# Altium PCB SPEC-A7.PcbDoc (part 8 of 10) (continued)
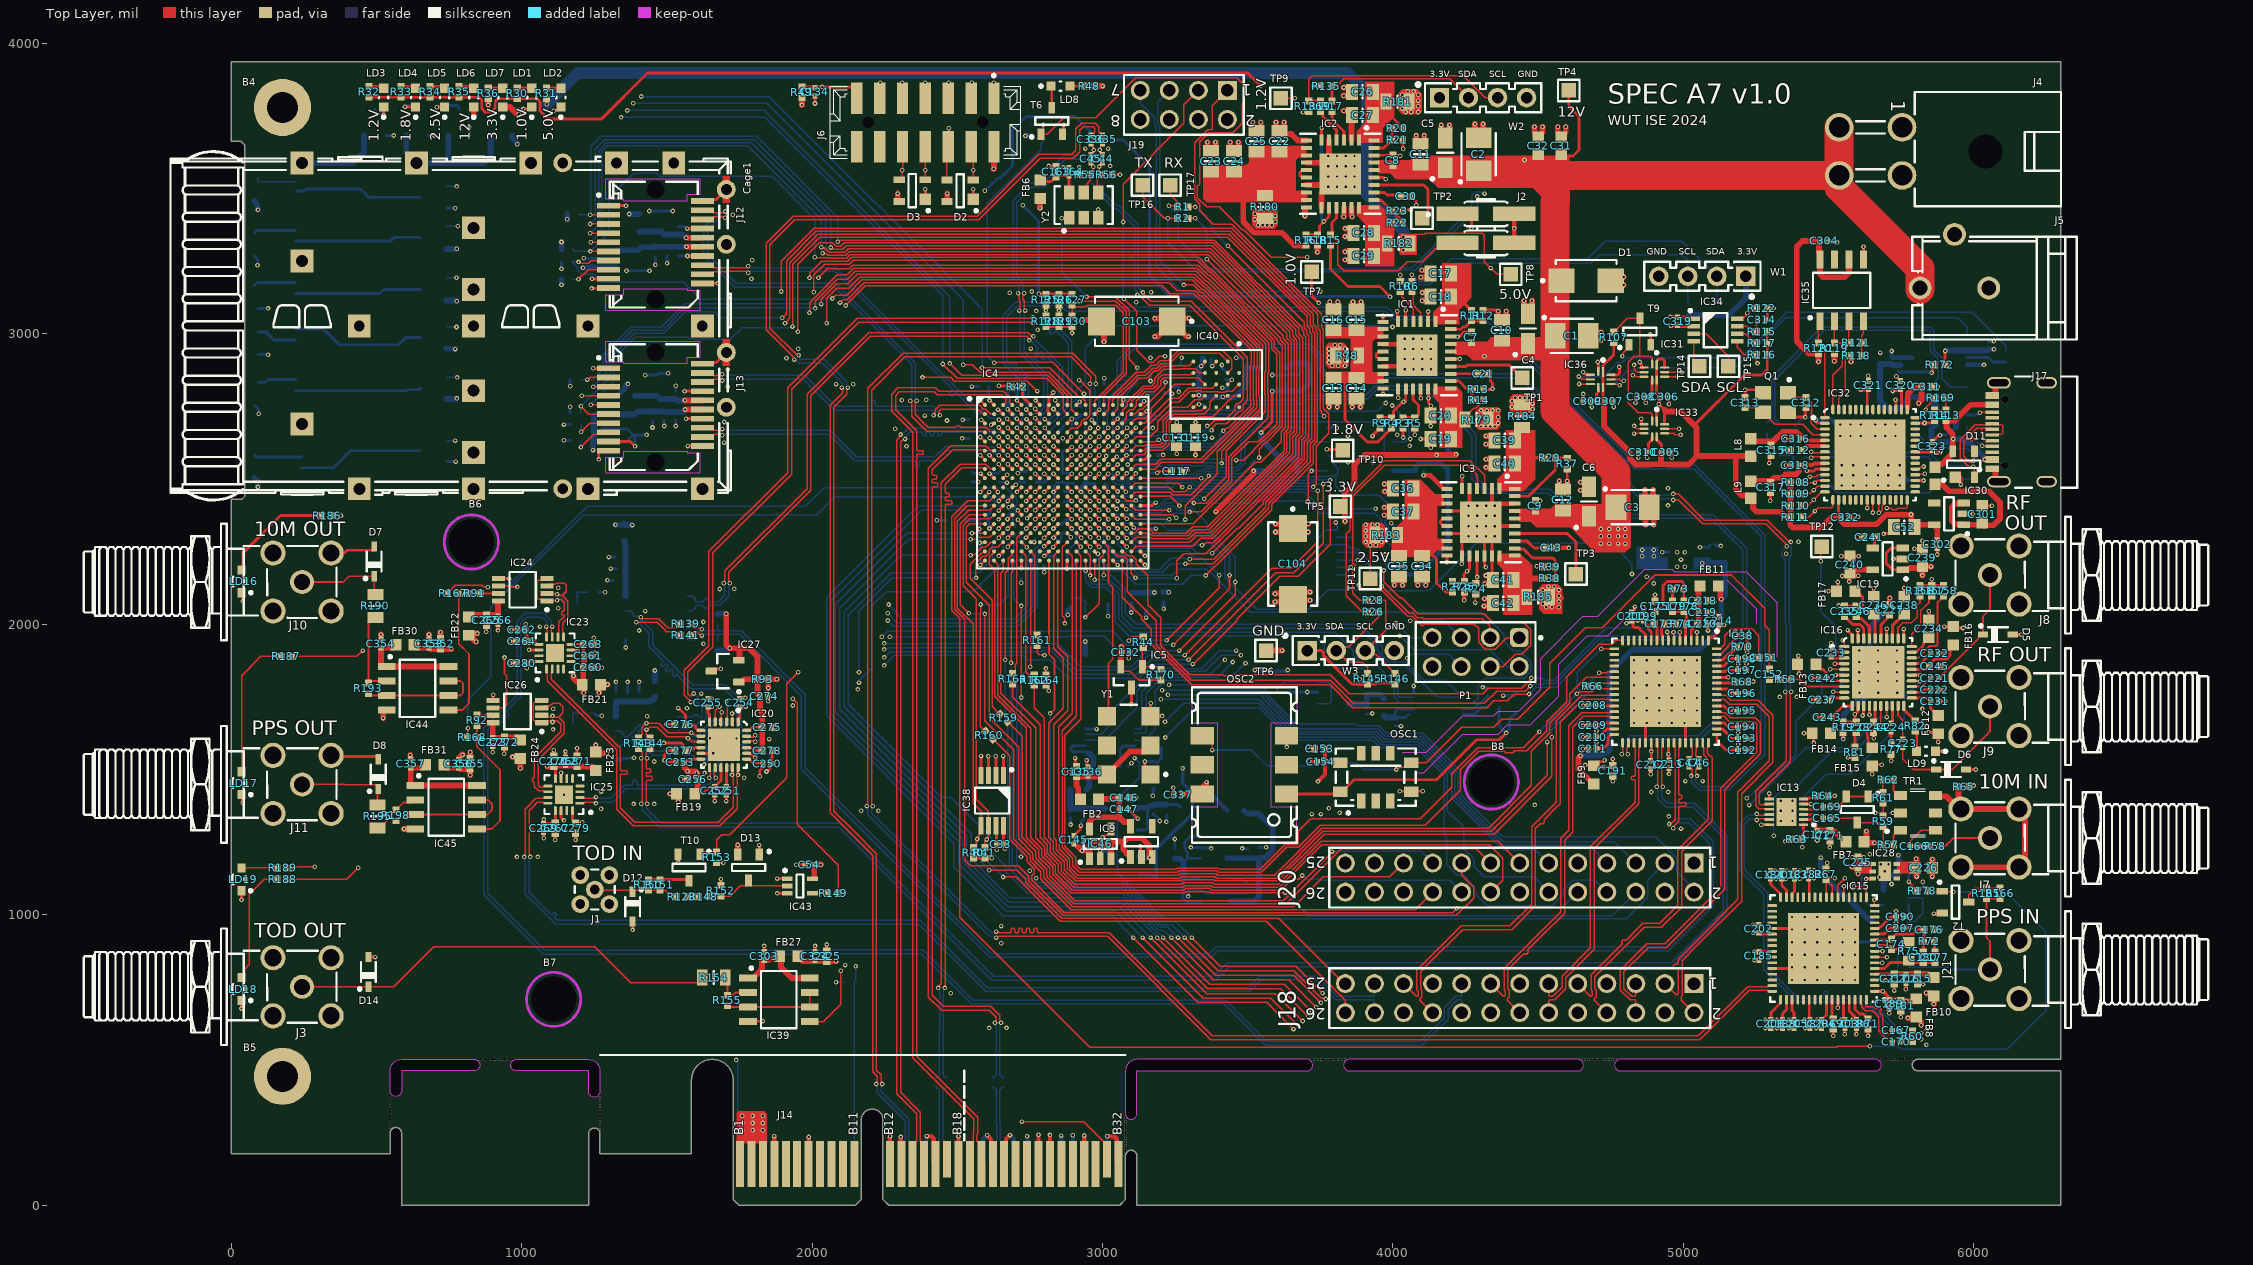
[diagram p0: Top Layer view]
## Nets (pads, with @x,y where several pads share a name; then routed paths per layer and width w, separated by ;. In a path a pad name is that pad's centre, name@x,y a point inside that pad or via, vN(x,y) a via of type N, cw(c..) or ccw(c..) an arc to the next point about the centre after c; other vN are vias at no path point) (continued)
  Bottom Layer w12: FB26.2@3125.98,1137.8 3170.28,1137.8 FB29.2@3185.04,1123.03 ; FB29.2@3185.04,1122.05 FB29.2@3185.04,1123.03 ; v3(3275.59,1503.94) 3275.59,1452.76 3311.02,1417.32 3311.02,1349.41 3268.7,1307.09 FB25.2@3267.72,1307.09 3266.73,1307.09 3185.04,1225.39 FB29.2@3185.04,1123.03 ; v3(3523.62,1842.52) 3524.64,1842.52 3528.57,1838.58 FB28.2@3598.43,1838.58 3632.84,1838.58 3636.78,1842.52 v3(3637.8,1842.52)
  other v1: 4857.93,2233.89 4897.93,2233.89 4858.04,2255.67 4898.04,2255.67 4409.45,2724.41 4429.13,2724.41 4448.82,2724.41 4468.5,2724.41 4480.31,2740.16 4409.45,2748.03 4480.31,2759.84 4409.45,2767.72 4421.26,2779.53 4437.01,2779.53 4452.76,2779.53 4468.5,2779.53
P5V0: R24.2 R31.2 R182.2 TP8.1 | length 5261.8
  Top Layer w5: R182.2@4059.06,3311.02 4059.06,3322.21 4080.18,3343.33 4107.11,3343.33 4110.24,3346.46 4307.09,3346.46 4314.96,3338.58 4314.96,3248.03 v1(4336.61,3226.38) 4358.27,3204.72 TP8.1@4405.51,3204.72 ; v1(4283.46,2074.8) 4283.46,2102.94 R24.2@4285,2104.47
  L4 w5: v1(4283.46,2074.8) 4283.46,2135.18 4304.9,2156.61 4304.9,2186.12 4304.63,2186.39 4304.63,2344.35 4305.37,2345.09 4305.37,2533.03 4270.78,2567.62 4270.78,2770.78 4393.7,2893.7 4393.7,3015.75 4320.37,3089.08 4320.37,3210.13 v1(4336.61,3226.38)
  Bottom Layer w40: v1(1086.61,3790.85) 1193.74,3897.98 3845,3897.98 3910,3832.98 3910,3479.76 4035.43,3354.33 v1(4035.43,3334.65) v1(4035.43,3318.9) v1(4035.43,3303.15) v1@4035.43,3290.8
  other v1: 4035.43,3287.4
P12V0: C1.1 C2.1 C3.1 C4.1 C5.1 C6.1 C7.2 C8.2 C9.2 C10.2 C11.2 C12.2 C31.2 C32.2 D1.1 IC1.28 IC1.29 IC2.28 IC2.29 IC3.28 IC3.29 J4.3 J4.4 J5.1 J14.A2 J14.A3 J14.B1 J14.B2 J14.B3 J20.23 J20.24 J20.25 R3.2 R30.2 R32.2 R33.2 R34.2 R35.2 TP4.1 | length 8271.6
  Top Layer w10: R32.2@475,3814.47 R33.2@585,3814.47 R34.2@685,3814.47 R35.2@785,3814.47 853.5,3814.47 862.5,3805.48 862.5,3775.48 875,3762.98 895,3762.98 909.25,3777.23 909.25,3800.39 918.34,3809.47 R30.2@985,3809.47 1052.53,3809.47 1062.8,3799.21 1062.8,3767.91 1090.55,3740.16 1275.59,3740.16 1433.41,3897.98 3499.66,3897.98 v1(3543.31,3854.33) ; v1@4034.97,2643.08 R3.2@4035,2674.47 ; 4410,3557.98 4415,3552.98 ; C31.2@4580,3612.54 4619.57,3612.54 4640,3632.98 4640,3747.98 4605,3782.98 TP4.1@4605,3837.98
  Top Layer w100: C2.1@4295,3560.89 4302.91,3552.98 4415,3552.98 4452.76,3552.98 4500.49,3552.98 4559.07,3494.4 4559.07,3452.98 ; 4542.91,3545.3 J4.4@5536.06,3545.3 J4.3@5536.06,3710.65 ; 4557.91,3452.98 C1.1@4557.91,2992.98 4557.91,2735.06 4767.91,2525.06 C3.1@4767.91,2402.98 ; J4.4@5536.06,3518.88 5536.06,3503.31 5814.96,3224.41 J5.1@5814.96,3152.43
  L3 w10: v1(3543.31,3854.33) 3630.75,3854.33 3646.89,3870.48 4393.3,3870.48 4416.54,3847.24 4416.54,3634.65 v1(4452.76,3598.43)
  L4 w10: v1(4034.93,2643.05) 4035.07,2643.05 4110,2717.98 4135,2717.98 4151.38,2734.36 4151.38,2759.36 v1(4315,2922.98)
  other v1: 1760,257.98 1795,257.98 1830,257.98 1760,282.98 1795,282.98 1830,282.98 1760,307.98 1795,307.98 1830,307.98 4715,2277.98 4745,2277.98 4775,2277.98 4800,2277.98 4715,2302.98 4745,2302.98 4775,2302.98 4800,2302.98 4715,2327.98 4745,2327.98 4775,2327.98 4800,2327.98
PCIe_PER0_N: IC4.E3 J14.B15 | length 2952
  Top Layer w5: v1(2320,2637.98) 2317.94,2635.92 2311.71,2635.92 2304.63,2628.83 2304.63,388.35 2372.65,320.33 2372.65,219.88 2385.83,206.69 J14.B15@2385.83,141.73 ; v1(2642.28,2644.71) IC4.E3@2658.03,2628.96
  Bottom Layer w5: 2322.06,2646.26 2336.94,2661.15 2362.7,2661.15 2378.08,2661.15 2381.01,2658.22 2381.01,2651.05 2383.58,2648.48 2391.3,2648.48 2393.88,2651.05 2393.88,2658.57 2396.45,2661.15 2404.18,2661.15 2406.75,2658.57 2406.75,2651.05 2409.33,2648.48 2417.05,2648.48 2419.63,2651.05 2419.63,2658.57 2422.2,2661.15 2429.93,2661.15 2432.5,2658.57 2432.5,2651.47 2435.08,2648.9 2442.8,2648.9 2445.38,2651.47 2445.38,2658.22 2448.3,2661.15 2465.1,2661.15 2600.49,2661.15 2603.92,2657.71 2620.53,2657.71 2630.09,2648.15 2633.98,2648.15 2635.36,2646.77 2640.23,2646.77 v1(2642.28,2644.71)
PCIe_PER0_P: IC4.E4 J14.B14 | length 2953.8
  Top Layer w5: v1(2304.58,2653.4) 2302.52,2651.34 2302.52,2645.11 2291.63,2634.22 2291.63,382.97 2359.65,314.95 2359.65,219.88 2346.46,206.69 J14.B14@2346.46,141.73 ; v1(2673.78,2644.71) IC4.E4@2689.53,2628.96
  Bottom Layer w5: 2312.86,2655.46 2331.55,2674.15 2605.87,2674.15 2609.31,2670.71 2625.91,2670.71 2635.48,2661.15 2654.65,2661.15 2671.08,2644.71 v1(2673.78,2644.71)
PCIe_PER1_N: IC4.A3 J14.B20 | length 3229.7
  Top Layer w5: J14.B20@2582.68,141.74 2582.68,206.7 2567.31,222.08 2567.31,242.03 2569.5,244.22 2569.5,303.48 2360,512.98 2360,2566.93 2360,2582.3 2362.93,2585.23 2380.39,2585.23 2382.97,2587.81 2382.97,2595.53 2380.39,2598.11 2362.93,2598.11 2360,2601.04 2360,2641.73 2360,2666.36 2287.4,2738.96 2287.4,2787.4 2300.81,2800.81 2420.81,2800.81 2431.62,2790 2652.98,2790 2667.28,2775.7 2667.28,2764.19 IC4.A3@2658.03,2754.95
PCIe_PER1_P: IC4.A4 J14.B19 | length 3231.5
  Top Layer w5: J14.B19@2543.31,141.74 2554.31,152.73 2554.31,247.41 2556.5,249.6 2556.5,298.1 2347,507.59 2347,2660.98 2274.4,2733.58 2274.4,2792.79 2295.42,2813.81 2426.19,2813.81 2430,2810 2437,2803 2658.36,2803 2680.28,2781.08 2680.28,2764.19 IC4.A4@2689.53,2754.95
PCIe_PET0_N: C51.2 J14.A17 | length 281
  Bottom Layer w5: J14.A17@2464.57,141.73 2464.57,206.69 2451.39,219.88 2451.39,265.98 2451.5,266.09 2451.5,399 2454.43,401.93 2458.64,401.93 2465,408.28 C51.2@2465,409.2
PCIe_PET0_P: C49.2 J14.A16 | length 281
  Bottom Layer w5: C49.2@2425,409.2 2425,408.28 2431.36,401.93 2435.57,401.93 2438.5,399 2438.5,271.48 2438.39,271.36 2438.39,219.88 2425.2,206.69 J14.A16@2425.2,141.73
PCIe_PET1_N: C55.2 J14.A22 | length 281.7
  Bottom Layer w5: C55.2@2660,409.2 2660,408.28 2653.64,401.93 2649.43,401.93 2646.5,399 2646.5,282.53 2648.24,280.79 2648.24,219.9 2661.42,206.72 J14.A22@2661.42,141.75
PCIe_PET1_P: C53.2 J14.A21 | length 281.7
  Bottom Layer w5: C53.2@2620,409.2 2620,408.28 2626.36,401.93 2630.57,401.93 2633.5,399 2633.5,277.14 2635.24,275.41 2635.24,219.89 2622.05,206.71 J14.A21@2622.05,141.75
PCIe_REFCLK_N: C336.1 J14.A14 | length 4819.6
  Top Layer w5: v3@1945.99,2928.02 1944.88,2929.13 1854.33,3019.69 1854.33,3307.09 1939.76,3392.51 2573.61,3392.51 2786.21,3605.11 2899.09,3605.11 2921.26,3627.28 2921.26,3700.79 2933.07,3712.6 2968.82,3712.6 2973.82,3707.6 2973.82,3705.8 2973.81,3693.34 2970.89,3690.41 2966.99,3690.41 2960.63,3684.05 C336.1@2960.63,3683.07 ; v3(2123.17,2814.96) 2123.17,2814.9 2119.3,2811.02 2119.3,2792.53 2074.8,2748.03 2074.8,1356.97 2143.05,1288.72 2221.66,1210.11 2221.66,465.42 2237.41,449.67 2237.41,424.11 2241.28,420.23 v3(2241.28,417.32)
  Bottom Layer w5: v3(1953.53,2925.97) 1955.58,2923.91 1955.58,2918.43 1961.66,2912.36 2042.66,2912.36 2119.3,2835.72 2119.3,2821.74 2123.17,2817.87 v3(2123.17,2814.96) ; v3(2241.28,417.32) 2241.28,414.41 2237.41,410.54 2237.41,392.59 2333.28,296.72 2333.28,219.88 2346.46,206.69 J14.A14@2346.46,141.73
PCIe_REFCLK_P: C335.1 J14.A13 | length 4862.7
  Top Layer w5: v3@1936.8,2918.83 1841.33,3014.3 1841.33,3312.47 1934.37,3405.51 2568.23,3405.51 2780.83,3618.11 2893.7,3618.11 2908.26,3632.67 2908.26,3706.17 2927.69,3725.6 2974.2,3725.6 2986.82,3712.98 2986.82,3700.41 2986.81,3693.34 2989.74,3690.41 2993.64,3690.41 3000,3684.05 C335.1@3000,3683.07 ; v3(2102.43,2814.96) 2102.43,2814.9 2106.3,2811.02 2106.3,2797.91 2061.8,2753.42 2061.8,1351.58 2129.26,1284.12 2208.66,1204.72 2208.66,460.04 2224.41,444.29 2224.41,424.11 2220.54,420.23 v3(2220.54,417.32)
  Bottom Layer w5: v3(1938.86,2911.3) 1940.91,2909.24 1946.39,2909.24 1956.27,2899.36 2037.28,2899.36 2106.3,2830.33 2106.3,2821.74 2102.43,2817.87 v3(2102.43,2814.96) ; v3(2220.54,417.32) 2220.54,414.41 2224.41,410.54 2224.41,387.21 2320.28,291.34 2320.28,219.88 2307.09,206.69 J14.A13@2307.09,141.73
PCIe_RST: IC4.R6 J14.A11 R104.2 | length 2586
  Top Layer w5: v1(2719.83,2063.14) 2719.83,1748.14 v1(2720,1747.98)
  Top Layer w10: v1(2736.5,2298.45) 2736.74,2298.45 2752.28,2314 IC4.R6@2752.52,2314
  L4 w5: v1(2149.61,822.96) 2152.51,822.96 2161.15,831.6 2166.25,831.6 2185.04,850.39 2417.32,850.39 2720,1153.07 2720,1198.87 v1(2719.28,1199.59)
  Bottom Layer w5: J14.A11@2145.67,141.73 2145.67,768.65 2149.61,772.58 v1(2149.61,822.96) ; v1(2719.28,1199.59) 2720,1200.31 v1(2720,1747.98) ; v1(2719.83,2063.14) 2695,2087.98 2695,2207.98 2723.17,2236.15 2723.17,2284.65 2736.5,2297.98 v1(2736.5,2298.45)
PET0_N: C51.1 IC4.H1 | length 2268.5
  Top Layer w5: v1(2456.44,747.98) 2458.49,750.03 2458.49,2394.6 2458.49,2409.97 2461.39,2412.93 2479.21,2413.13 2481.75,2415.73 2481.67,2423.46 2479.06,2426 2461.21,2425.81 2458.61,2428.35 2458.52,2436.08 2461.07,2438.68 2468.88,2438.77 2471.43,2441.37 2471.34,2449.09 2468.74,2451.64 2461.45,2451.56 2458.49,2454.45 2458.49,2468.77 2458.49,2482.29 2514.78,2538.58 2588.56,2538.58 2592.66,2534.47 IC4.H1@2595.04,2534.47
  Bottom Layer w5: 2452.03,740.66 2452.03,597.42 2451.5,596.89 2451.5,447.03 2454.43,444.1 2458.64,444.1 2465,437.74 C51.1@2465,436.76
PET0_P: C49.1 IC4.H2 | length 2271
  Top Layer w5: v1(2434.63,747.98) 2434.63,750.89 2445.49,761.75 2445.49,2487.68 2509.4,2551.58 2598.28,2551.58 2613.71,2536.15 2624.86,2536.15 IC4.H2@2626.54,2534.47
  Bottom Layer w5: C49.1@2425,436.76 2425,437.74 2431.36,444.1 2435.57,444.1 2438.5,447.03 2438.5,602.27 2439.03,602.8 2439.03,740.66
PET1_N: C55.1 IC4.F1 | length 2558.2
  Top Layer w5: IC4.F1@2595.04,2597.47 2592.66,2597.47 2588.56,2601.57 2483.59,2601.57 2413.67,2531.65 2413.67,2519.69 2413.67,2515.33 2416.6,2512.41 2426.14,2512.41 2428.71,2509.83 2428.71,2502.11 2426.14,2499.53 2416.25,2499.53 2413.67,2496.96 2413.67,2489.23 2416.25,2486.66 2430.27,2486.66 2432.85,2484.08 2432.85,2476.36 2430.27,2473.78 2416.6,2473.78 2413.67,2470.85 2413.67,2455.48 2413.67,722.09 2451.49,684.28 2615.38,684.28 2646.5,653.17 2646.5,634.76 2650.37,630.89 v1(2650.37,627.98)
  Bottom Layer w5: v1@2646.5,621.2 2646.5,447.03 2649.43,444.1 2653.64,444.1 2660,437.74 C55.1@2660,436.76
PET1_P: C53.1 IC4.F2 | length 2560.7
  Top Layer w5: IC4.F2@2626.54,2597.47 2624.86,2599.15 2613.71,2599.15 2598.28,2614.57 2478.21,2614.57 2400.67,2537.04 2400.67,716.71 2446.1,671.28 2610,671.28 2633.5,647.78 2633.5,634.76 2629.63,630.89 v1(2629.63,627.98)
  Bottom Layer w5: C53.1@2620,436.76 2620,437.74 2626.36,444.1 2630.57,444.1 2633.5,447.03 v1@2633.5,621.2
PLL_CS: IC4.V9 IC14.17 | length 3501
  Top Layer w5: IC4.V9@2847.01,2219.51 2845.12,2217.62 2845.12,1922.86 2880,1887.98 2880,1702.98 2831.15,1654.12 2831.15,1265.48 2840.42,1256.2 2840.42,1223.45 2877.85,1186.02 2877.85,1159.66 2911.12,1126.4 3266,1126.4 3270.24,1130.64 3386.5,1130.64 3390.73,1126.4 3597.31,1126.4 3758.31,1287.4 4338.58,1287.4 4531.5,1480.32 v1(4531.5,1594.49) ; v1(4716.65,1915.7) IC14.17@4762.14,1915.68
  Bottom Layer w5: v1(4531.5,1594.49) 4531.5,1636.53 4648.65,1753.69 4648.65,1766.79 4635.11,1780.33 4635.11,1834.16 v1(4716.65,1915.7)
PLL_LOCK: IC4.U16 IC14.3 | length 2445
  Top Layer w5: IC4.U16@3067.48,2251.01 3069.86,2251.01 3076.96,2243.9 3077.58,2243.9 3085.44,2236.04 3102.8,2236.04 3116.08,2222.76 3116.08,2206.89 3155,2167.98 3155,2067.98 3200.79,2022.19 3200.79,1925.92 3299.94,1826.77 3414.69,1826.77 3418.26,1823.21 3431.57,1823.21 3435.13,1826.77 3783.46,1826.77 3848.96,1761.28 4309,1761.28 4327.56,1779.84 4443.14,1779.84 4476.38,1813.08 v1(4476.38,1814.96) ; IC14.3@5046.61,1944.2 v1(5046.61,1972.07)
  Bottom Layer w5: v1(4476.38,1814.96) 4513.65,1814.96 4520.63,1807.98 4555,1807.98 4734.93,1987.91 4882.06,1987.91 4882.85,1988.7 5029.98,1988.7 v1(5046.61,1972.07)
PLL_REFSEL: IC4.U15 IC14.7 | length 2393.1
  Top Layer w5: IC4.U15@3035.98,2251.01 3053.09,2233.9 3073.44,2233.9 3084.59,2222.76 3084.59,2112.08 3185.04,2011.63 3185.04,1927.53 3305.48,1807.09 3783.46,1807.09 3862.57,1727.98 4314.59,1727.98 4356.46,1769.84 4454.88,1769.84 v1(4472.44,1787.4) ; v1@4965.75,1974.63 v1(4965.75,1972.52) 4966.95,1971.32 4966.95,1945.12 IC14.7@4967.87,1944.2
  Bottom Layer w5: v1(4472.44,1787.4) 4474.5,1789.46 4483.98,1789.46 4487.5,1792.98 4517.96,1792.98 4521.33,1796.35 4558.37,1796.35 4719.98,1957.95 4951.18,1957.95 v1(4965.75,1972.52)
PLL_RESET: IC4.U11 IC14.23 IC14.24 R66.2 | length 3369.6
  Top Layer w5: IC4.U11@2910,2251.01 2924.63,2236.38 2924.63,1672.6 2870.42,1618.4 2870.42,1235.87 2907.85,1198.44 2907.85,1172.09 2923.55,1156.4 3253.57,1156.4 3257.81,1160.64 3398.92,1160.64 3403.16,1156.4 3542.7,1156.4 3627.83,1241.53 3670.02,1241.53 3673.82,1245.34 3673.82,1287.52 3717.01,1330.71 4094.49,1330.71 4202.76,1438.98 4202.76,1486.22 4291.34,1574.8 4449.09,1574.8 v1(4504.07,1629.78) ; v1(4633.28,1760.42) 4636.19,1760.42 4642.9,1767.13 4682.95,1767.13 4686.53,1767.14 4701.7,1782.32 R66.2@4709.89,1782.32 ; IC14.24@4762.17,1777.86 4714.35,1777.86 R66.2@4709.89,1782.32 ; IC14.23@4762.17,1797.54 4715.35,1797.54 4705.43,1787.62 R66.2@4705.43,1786.84 4705.43,1786.78 R66.2@4709.89,1782.32
  Bottom Layer w5: v1(4504.07,1629.78) 4633.28,1758.99 v1(4633.28,1760.42)
PLL_SCLK: IC4.V11 IC14.16 | length 3437.6
  Top Layer w5: IC4.V11@2910,2219.51 2910,1682.98 2860.42,1633.4 2860.42,1267.7 2860.42,1231.73 2897.85,1194.3 2897.85,1167.95 2919.4,1146.4 2989.72,1146.4 3257.72,1146.4 3261.95,1150.64 3394.78,1150.64 3399.02,1146.4 3546.87,1146.4 3632.01,1231.53 3674.16,1231.53 3750.03,1307.4 4110.55,1307.4 4232.28,1429.13 4232.28,1499.93 4294.78,1562.43 4382.38,1562.43 4387.62,1557.19 4411.52,1557.19 4419.13,1564.8 4429.34,1564.8 4460.83,1564.8 4529.69,1633.65 4529.69,1665.15 4598.43,1733.89 4598.43,1819.22 4710.28,1931.08 4753.91,1931.08 4767.03,1944.2 IC14.16@4790.71,1944.2
PLL_SDI: IC4.U10 IC14.22 | length 3408.4
  Top Layer w5: IC4.U10@2878.5,2251.01 2895,2234.51 2895,2039.72 2895.37,2039.35 2895.37,2026.61 2895,2026.24 2895,1692.98 2849.15,1647.13 2849.15,1263.41 2850.42,1262.13 2850.42,1227.59 2887.85,1190.16 2887.85,1163.81 2915.26,1136.4 3261.86,1136.4 3266.1,1140.64 3390.64,1140.64 3394.88,1136.4 3593.17,1136.4 3754.17,1297.4 4328.83,1297.4 4476.38,1444.95 4476.38,1562.8 4539.69,1626.1 4539.69,1659.3 4608.43,1728.04 4608.43,1761.06 4664.59,1817.23 IC14.22@4762.17,1817.23
PLL_SDO: IC4.U9 IC14.21 | length 3483.4
  Top Layer w5: IC4.U9@2847.01,2251.01 2832.62,2236.62 2832.62,1915.36 2865,1882.98 2865,1710.13 2815.14,1660.27 2815.14,1265.92 2830.42,1250.63 2830.42,1219.31 2867.85,1181.88 2867.85,1155.52 2906.98,1116.4 3270.14,1116.4 3274.38,1120.64 3382.35,1120.64 3386.59,1116.4 3601.45,1116.4 3762.45,1277.4 4342.72,1277.4 4344.85,1279.53 4350.39,1279.53 4546.87,1476 v1(4546.87,1611.55) ; v1(4710,1832.98) 4735,1832.98 4738.94,1836.91 IC14.21@4762.17,1836.91
  Bottom Layer w5: v1(4546.87,1611.55) 4546.87,1636.83 4682.1,1772.06 4682.1,1805.08 v1(4710,1832.98)
PLL_STAT: IC4.V16 IC14.6 | length 2376.3
  Top Layer w5: IC4.V16@3067.48,2219.51 3068.17,2218.82 3068.17,2092.55 3134.63,2026.09 3134.63,2016.61 3167.59,1983.65 3167.59,1930.84 3307.09,1791.34 3783.46,1791.34 3862.2,1712.6 4322.83,1712.6 4346.46,1736.22 4393.7,1736.22 4417.32,1759.84 v1(4468.5,1759.84) ; IC14.6@4987.56,1944.2 v1(4987.56,1972.38)
  Bottom Layer w5: v1(4468.5,1759.84) 4491.64,1782.98 4562.19,1782.98 4726.41,1947.21 4962.38,1947.21 v1(4987.56,1972.38)
PLL_SYNC: IC4.P16 IC14.8 | length 2394.8
  Top Layer w5: v1(4943.94,1973.33) 4943.94,1970.42 4947.26,1967.1 4947.26,1945.12 IC14.8@4948.19,1944.2
  Top Layer w10: IC4.P16@3067.48,2345.5 v1(3083.23,2329.75)
  L3 w5: v1(4822.83,2173.23) 4844.72,2151.34 4844.72,2144.82 4864.55,2124.99 4904.24,2124.99 4905.23,2125.98 4921.99,2125.98 4943.94,2104.04 v1(4943.94,1973.33)
  Bottom Layer w5: v1(3083.23,2329.75) 3086.14,2329.75 3092.57,2323.31 3094.44,2323.31 3110.64,2307.1 3342.5,2307.1 3421.26,2228.35 3421.26,2161.42 3441.32,2141.36 3441.32,2139.3 3450.32,2130.3 3452.38,2130.3 3531.5,2051.18 3710.51,2051.18 3777.44,2118.11 3952.76,2118.11 3955.29,2115.58 4118.58,2115.58 4121.12,2118.11 4125.98,2118.11 4221.18,2213.3 4221.18,2214.38 4230.18,2223.39 4231.26,2223.39 4286.23,2278.35 4692.88,2278.35 4711.39,2259.84 4771.65,2259.84 4822.83,2208.66 v1(4822.83,2173.23)
PPS_IN: IC4.P3 R84.2 | length 4084.3
  Top Layer w10: v1(2642.28,2329.75) IC4.P3@2658.03,2345.5
  L3 w6: v1(4488.19,1377.95) 4763.78,1377.95 4850.39,1464.57 4952.76,1464.57 4976.38,1440.94 5429.13,1440.94 5641.73,1228.35 v1(5641.73,1208.66)
  L4 w6: v1(2642.28,2329.75) 2625.98,2313.45 2625.98,2185.04 2641.73,2169.29 2641.73,1961.09 2735.69,1867.13 2735.69,1828.28 2798.99,1764.98 3000.98,1562.99 3157.48,1562.99 3169.29,1551.18 3169.29,1452.76 3216.54,1405.51 3661.42,1405.51 3685.04,1429.13 3897.64,1429.13 4003.94,1322.83 4393.7,1322.83 4448.82,1377.95 v1(4488.19,1377.95)
  Bottom Layer w6: 5612.82,1097.36 5612.82,1129.85 5641.73,1158.75 v1(5641.73,1208.66) ; 5612.84,1097.35 5612.84,1093.85 5621.26,1085.43 R84.2@5622.05,1085.43
PPS_OUT_SE: IC4.M4 R168.1 | length 2493.4
  Top Layer w5: R168.1@812.2,1610.24 814.96,1612.99 v1(814.96,1641.73) ; v1(2676.96,2402.8) 2679.02,2404.86 2683.52,2404.86 2687.15,2408.49 IC4.M4@2689.53,2408.49
  Bottom Layer w5: v1(814.96,1641.73) 814.96,1740.16 893.7,1818.9 893.7,2058.6 1213.05,2377.95 2015.75,2377.95 2077.58,2439.79 2685.08,2439.79 2689.29,2435.57 2691.19,2433.67 2691.19,2414.13 2679.87,2402.8 v1(2676.96,2402.8)
PWR_SCL1: R8.1 R10.1 W1.3 | length 1230.5
  Top Layer w5: R10.1@4025,3181.48 v1(4025,3202.98)
  Bottom Layer w5: v1(4025,3202.98) 4059,3168.98 4126,3168.98 4200,3242.98 4680,3242.98 4710,3272.98 4995,3272.98 5015,3252.98 W1.3@5015,3197.98 5015,3106.48 R8.1@5020,3101.48
PWR_SCL2: R19.1 R136.1 W2.3 | length 802.8
  Top Layer w5: R136.1@3710,3801.48 3710,3877.98 3721.29,3889.27 4241.64,3889.27 4317.93,3812.98 W2.3@4360,3812.98
  Top Layer w10: R136.1@3710,3801.48 R19.1@3750,3801.48
PWR_SCL3: R28.1 R146.1 W3.3 | length 361.1
  Top Layer w5: R28.1@3950.28,2082.98 3972.14,2082.98 3975.07,2080.05 3975.07,1979.79 W3.3@3904.72,1909.45 3916.57,1897.6 3939.83,1897.6 4006.69,1830.73 R146.1@4007.48,1830.73
PWR_SDA1: R6.1 R7.1 W1.2 | length 1287.7
  Top Layer w5: R6.1@4065,3181.48 v1(4065,3202.98)
  Bottom Layer w5: v1(4065,3202.98) 4065.8,3202.98 4078.04,3190.74 4078.04,3189.96 4089.02,3178.98 4121,3178.98 4200,3257.98 4670,3257.98 4730,3317.98 4995,3317.98 W1.2@5115,3197.98 5115,3106.48 R7.1@5110,3101.48
PWR_SDA2: R17.1 R135.1 W2.2 | length 561.2
  Top Layer w5: R135.1@3788.5,3852.98 3805,3852.98 3830.37,3878.35 4194.63,3878.35 W2.2@4260,3812.98
  Top Layer w10: R135.1@3788.5,3852.98 3790,3851.48 R17.1@3790,3801.48
PWR_SDA3: R26.1 R145.1 W3.2 | length 362.8
  Top Layer w5: R145.1@3912.48,1830.73 3912.48,1849.65 3893.65,1868.48 3845.69,1868.48 W3.2@3804.72,1909.45 3815.77,1920.49 3845.69,1920.49 3950.28,2025.08 R26.1@3950.28,2042.98
QSPI_CS: IC4.L15 IC6.1 IC17.10 R45.2 | length 1310.1
  Top Layer w5: v1(3706.88,2422.6) 3708.41,2424.13 3708.41,2516.76 v1(3719.63,2527.98)
  Top Layer w10: IC4.L15@3035.98,2439.99 v1(3051.73,2424.24)
  Bottom Layer w5: v1(3051.73,2424.24) 3093.74,2424.24 3098.29,2419.69 3098.29,2419.55 3114.21,2403.62 3191.28,2403.62 3198.48,2410.82 3198.48,2411.48 3219.97,2432.98 3327.72,2432.98 3343.53,2417.17 3519.88,2417.17 3525.57,2422.86 3706.62,2422.86 v1(3706.88,2422.6) 3747.59,2381.89 3937.01,2381.89 3962.05,2356.85 3962.05,2343.16 3976,2329.2 3976,2309.07 3984.25,2300.82 3984.25,2279.53 3990.16,2273.62 IC17.10@4035.43,2273.62 ; R45.2@3706.85,2528.02 v1(3719.63,2527.98) v1(3719.63,2527.98) ; v1(3719.63,2527.98) IC6.1@3776.14,2528.02
QSPI_DQ0: IC4.K16 IC6.5 IC17.3 | length 1499.8
  Top Layer w10: IC4.K16@3067.48,2471.48 3067.48,2470.46 3080.12,2457.82 v1(3080.12,2456.54)
  L4 w5: v3(3877.95,2220.47) 3877.95,2338.58 3940,2400.63 3940,2414.05 3950.94,2424.99 3950.94,2499.79 3958.82,2507.67 3958.82,2508.17 3962.76,2512.1 3962.76,2600.57 v1(4015,2652.81)
  Bottom Layer w5: v1(3080.12,2456.54) 3080.92,2455.73 3338.93,2455.73 3339.02,2455.65 3348.54,2455.65 3349.08,2455.11 3696.12,2455.11 3753.25,2397.98 v1(3940,2397.98) ; IC17.3@3807.09,2222.44 3809.06,2220.47 v3(3877.95,2220.47) ; IC6.5@4000.55,2678.02 4006.59,2678.02 4012.94,2671.66 4012.94,2654.87 v1(4015,2652.81)
QSPI_DQ1: IC4.L17 IC6.2 IC17.9 | length 1236.4
  Top Layer w5: IC4.L17@3098.98,2439.99 3113.37,2454.38 3232.37,2454.38 3240.47,2446.27 3305.41,2446.27 3362.94,2503.81 3362.94,2508.96 v1(3365,2511.02)
  Bottom Layer w5: 3373.3,2507.98 3709.97,2507.98 3710.31,2508.31 3771.72,2508.31 3775.07,2511.66 3803.68,2511.66 ; IC6.2@3776.14,2578.02 3787.95,2578.02 3794.31,2571.66 3794.31,2552.67 3810,2536.97 3810,2517.98 3803.68,2511.66 ; IC17.9@4035.43,2299.21 4000,2299.21 3986.03,2313.19 3986.03,2333.32 3972.05,2347.3 3972.05,2355.45 3985.37,2368.77 3985.37,2412.26 3952.76,2444.88 3834.65,2444.88 3803.68,2475.84 3803.68,2511.66
QSPI_DQ2: IC4.J15 IC6.3 R46.2 | length 912.8
  Top Layer w10: IC4.J15@3035.98,2502.98 v1(3052.42,2519.41)
  Bottom Layer w5: v1(3052.42,2519.41) 3052.42,2518.04 3067.48,2502.98 3116.21,2502.98 3117.09,2502.1 3215.83,2502.1 3230.76,2517.02 3314.9,2517.02 3325.86,2527.98 3346.07,2527.98 3354.49,2536.4 3375.51,2536.4 3383.55,2528.35 3464.5,2528.35 3490.14,2553.99 3490.14,2628.14 3528.2,2666.2 3528.2,2667.55 3538.45,2677.8 3680.18,2677.8 3706.85,2651.13 R46.2@3706.85,2628.02 IC6.3@3776.14,2628.02
QSPI_DQ3: IC4.J16 IC6.7 R47.2 | length 1268.6
  Top Layer w10: IC4.J16@3067.48,2502.98 3067.48,2503.32 3083.23,2519.07 v1(3083.23,2519.41)
  Bottom Layer w5: v1(3083.23,2519.41) 3086.14,2519.41 3090.38,2523.66 3090.73,2523.66 3105.04,2537.98 3113.57,2537.98 3121.98,2546.4 3140.78,2546.4 3141.65,2545.52 3144.32,2545.52 3145.36,2544.48 3221.23,2544.48 3224.52,2547.77 3300.38,2547.77 3301.76,2546.4 3379.65,2546.4 3387.7,2538.35 3460.36,2538.35 3475.93,2553.92 3475.93,2629.42 3544.49,2697.98 3955,2697.98 3970,2682.98 3970,2580.95 3972.93,2578.02 IC6.7@4000.55,2578.02 4045.04,2578.02 4050,2582.98 R47.2@4089.84,2583.02
RESET: IC4.K15 J19.1 | length 2389.7
  Top Layer w5: J19.1@3430,3837.98 3377.95,3785.93 3377.95,3705.84 3375.02,3702.91 3362,3702.91 3316.77,3657.69 3316.77,3464.36 3334.65,3446.49 3334.65,3425.2 3381.89,3377.95 3445.02,3377.95 3755,3067.98 3755,3020.11 3759.94,3015.17 3759.94,2743.29 3779.15,2724.08 3779.15,2656.87 3735,2612.72 3735,2484.68 3725,2474.68 v1(3725,2472.94)
  Top Layer w10: IC4.K15@3035.98,2471.48 3036.67,2471.48 3051.04,2457.11 v1(3051.73,2457.11)
  Bottom Layer w5: v1(3051.73,2457.11) 3053.11,2457.11 3068.98,2472.98 3090,2472.98 3097.24,2465.73 3232.76,2465.73 3254.04,2487.02 3307.7,2487.02 3318.09,2476.63 3346.33,2476.63 3347.3,2475.65 3711.47,2475.65 3712.12,2474.99 3722.94,2474.99 v1(3725,2472.94)
RESV_I: IC4.H18 J19.5 | length 1761.9
  Top Layer w5: IC4.H18@3130.47,2534.47 3179.75,2534.47 3202.77,2557.49 3343.1,2557.49 3530.4,2744.79 3530.4,2777.29 3528.63,2779.06 3528.63,2881.2 3531.81,2884.39 3531.81,2953.17 3343.69,3141.29 3339.51,3141.29 3312.45,3168.35 v1(3280,3168.35)
  Bottom Layer w5: J19.5@3230,3837.98 3190.02,3798 3190.02,3721.42 3196.85,3714.59 3196.85,3251.5 v1(3280,3168.35)
RESV_O: IC4.F15 J19.7 | length 2827.7
  Top Layer w10: IC4.F15@3035.98,2597.47 3035.98,2598.27 3051.59,2613.88 v1(3051.59,2614.68)
  L4 w5: v1(3750,3145.85) 3907.13,3145.85 3975,3077.98 3975,3074.72 3981.06,3068.66 3981.06,2785.93 3975,2779.87 3975,2762.11 v1(3975.23,2761.88)
  Bottom Layer w5: v1(3051.59,2614.68) 3065.63,2628.71 3104.26,2628.71 3120,2612.98 3210.31,2612.98 3211.29,2612 3312.14,2612 3389.14,2612 3419,2641.86 3509.75,2732.6 3945.96,2732.6 v1(3975.23,2761.88) ; J19.7@3130,3837.98 3130,3794.52 3180.02,3744.5 3180.02,3717.28 3185.74,3711.56 3185.74,3232.24 3275,3142.98 3509.61,3142.98 3512.48,3145.85 v1(3750,3145.85)
RGMII_RX_CLK: IC4.N3 J20.3 | length 3654.5
  Top Layer w6: v1(2641.92,2360.88) IC4.N3@2658.03,2376.99
  L4 w5: v1(2641.92,2360.88) 2612.85,2360.88 2595.41,2343.45 2595.41,2077.81 2626.91,2046.32 2626.91,1948.34 2706.63,1868.62 2706.63,1832.07 2999.71,1539 3109.86,1539 v1(3110.24,1539.37)
  Bottom Layer w5: v1(3110.24,1539.37) 3125.63,1523.98 3125.63,1472.09 3051.18,1397.64 3051.18,1145.67 3210.59,986.26 4802.48,986.26 4877.23,1061.01 4877.23,1118.94 J20.3@4936.26,1177.97
RGMII_RX_DV: IC4.N6 J20.2 | length 3107.1
  Top Layer w10: v1(2740.26,2364.73) IC4.N6@2752.52,2376.99
  L4 w5: v1(2740.26,2364.73) 2740.26,2348.19 2752.39,2336.06 2752.39,2292.85 2748.88,2289.35 2748.88,2276.39 2765,2260.27 2765,2047.98 3007.9,1805.07 3213.11,1805.07 3226.15,1792.03 v1(3229.06,1792.03)
  Bottom Layer w5: v1(3229.06,1792.03) 3542.61,1792.03 3571.24,1763.41 3571.24,1753.78 3667.54,1657.48 3866.14,1657.48 3872.78,1650.84 3951.37,1650.84 3977.4,1624.8 4101.58,1624.8 4232.84,1493.53 4232.84,1412.89 4377.76,1267.98 4904.19,1267.98 4977.23,1194.94 4977.23,1148.76 5036.26,1089.72 J20.2@5036.26,1077.97
RGMII_RXD0: IC4.M6 J20.5 | length 2906.1
  Top Layer w10: v1(2736.77,2392.74) IC4.M6@2752.52,2408.49
  L4 w5: v1(2736.77,2392.74) 2724,2379.97 2724,2338.42 2721.12,2335.54 2721.12,2231.85 2736.45,2216.53 2736.45,2025.45 2988.92,1772.98 3204.63,1772.98 v1(3205,1772.6)
  Bottom Layer w5: v1(3205,1772.6) 3547.9,1772.6 3561.24,1759.26 3561.24,1749.64 3670.04,1640.84 3947.22,1640.84 3973.26,1614.8 4097.43,1614.8 4222.84,1489.39 4222.84,1408.75 4379.51,1252.09 4762.15,1252.09 J20.5@4836.26,1177.97
RGMII_RXD1: IC4.V2 J20.6 | length 3269.1
  Top Layer w5: IC4.V2@2626.54,2219.51 2639.63,2206.42 2639.63,1756.02 2753.52,1642.13 2753.52,1264.23 2790.42,1227.33 2790.42,1202.74 2827.85,1165.31 2827.85,1138.95 2891.81,1075 3285.31,1075 3288.68,1078.37 3368.06,1078.37 3371.42,1075 3628.06,1075 v1(3629.29,1076.23)
  Bottom Layer w5: v1(3629.29,1076.23) 3709.26,996.26 4754.55,996.26 J20.6@4836.26,1077.97